# Altium PCB ELOC_Transmitter.PcbDoc
Units mil, origin at the board's own origin, x right, y up, seen from the top; angles counter-clockwise.
Board outline 3149.61 x 3149.61 mil, 2 copper layers (Top Layer, Bottom Layer); 105 components, 56 nets, 311 pads, 270 vias.
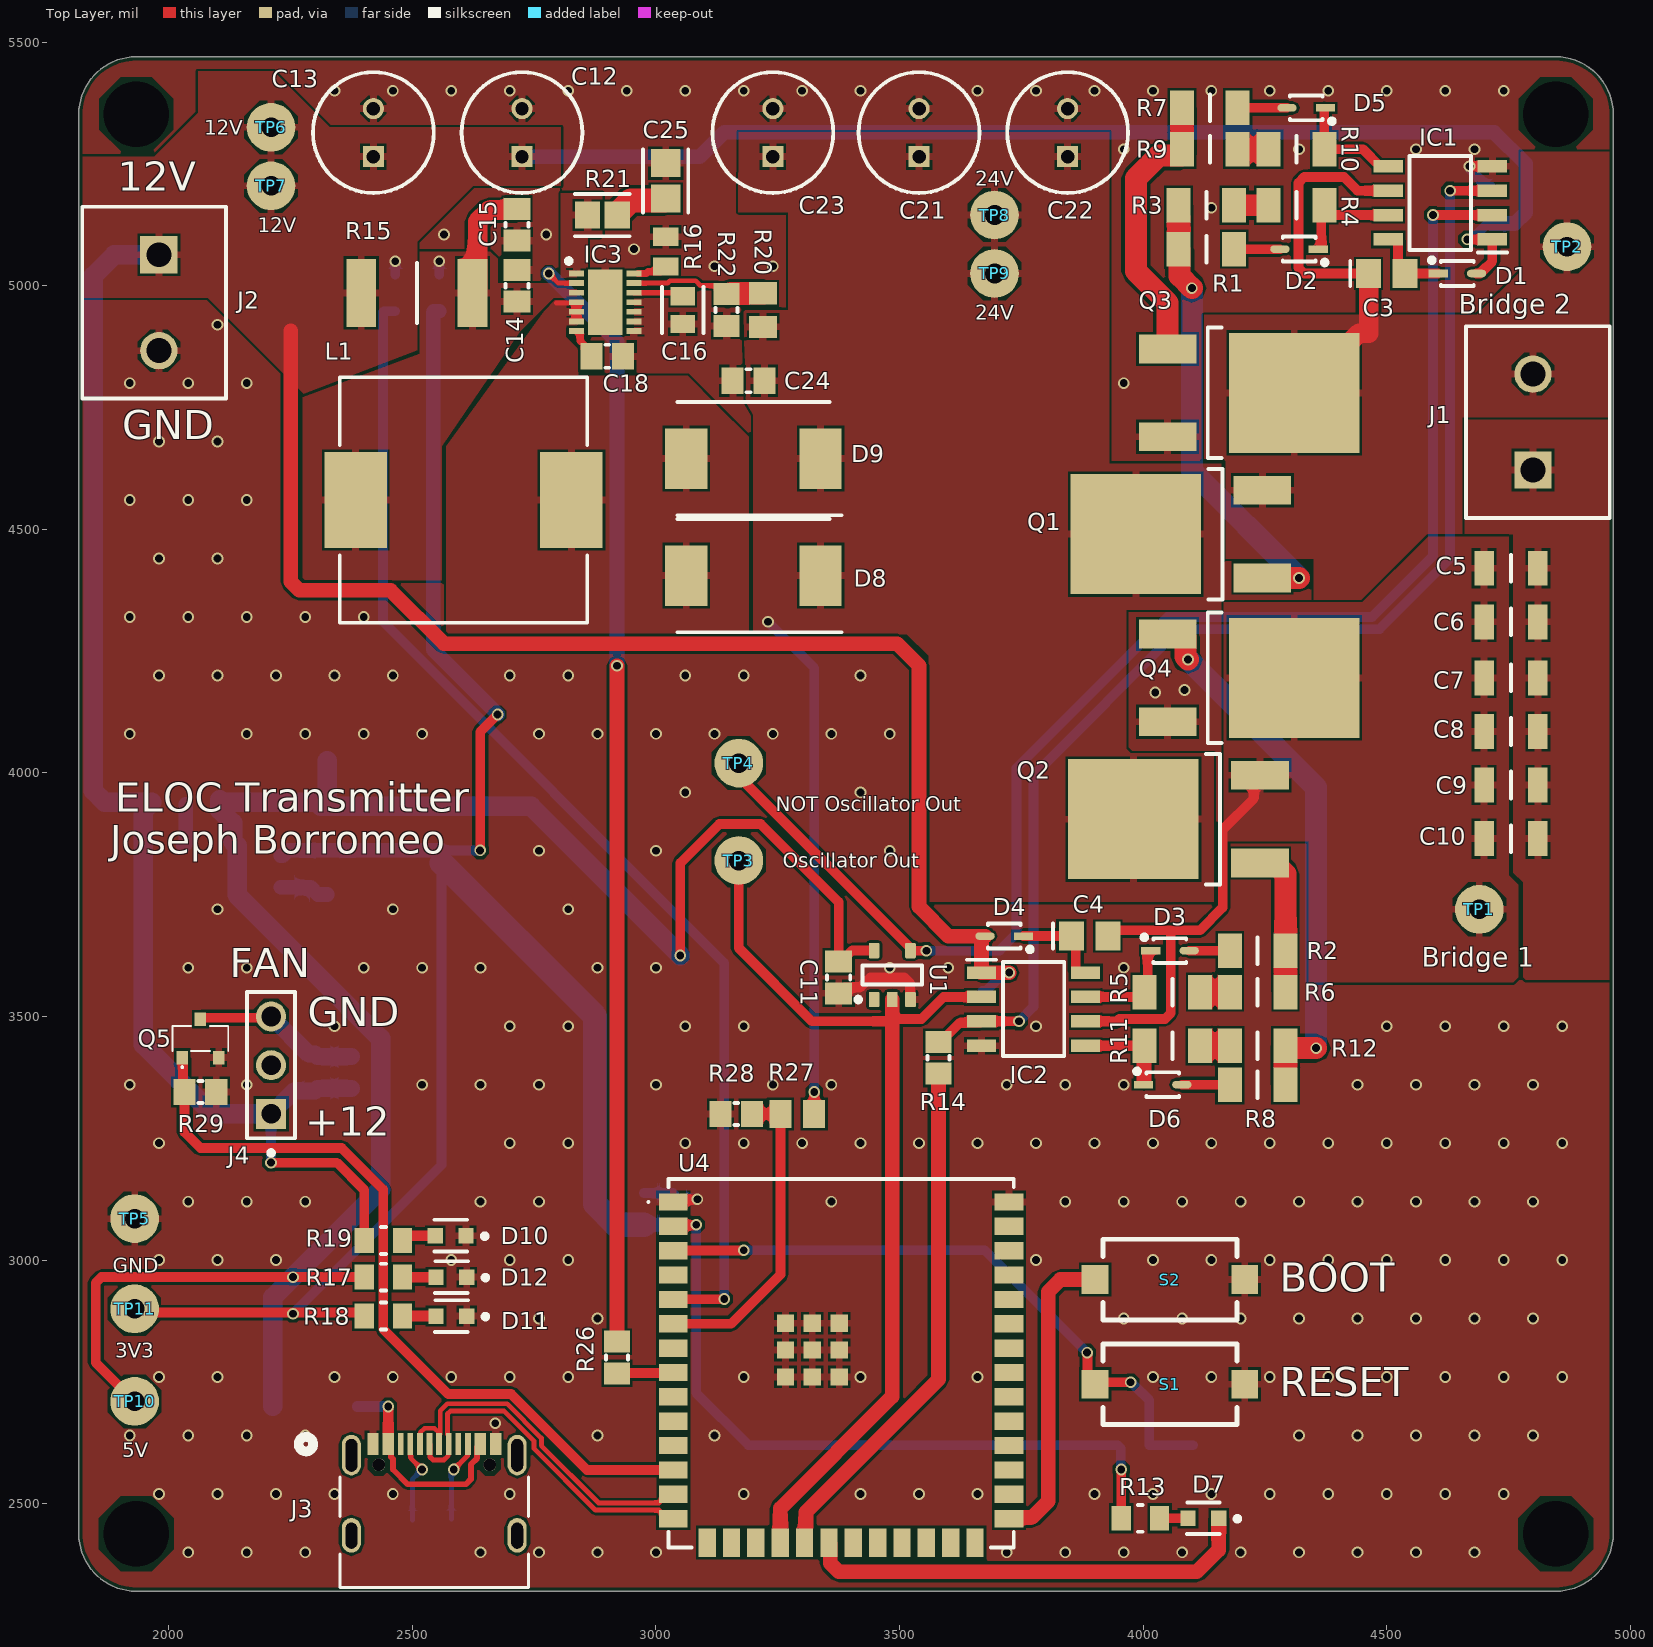
[diagram p0: Top Layer view]
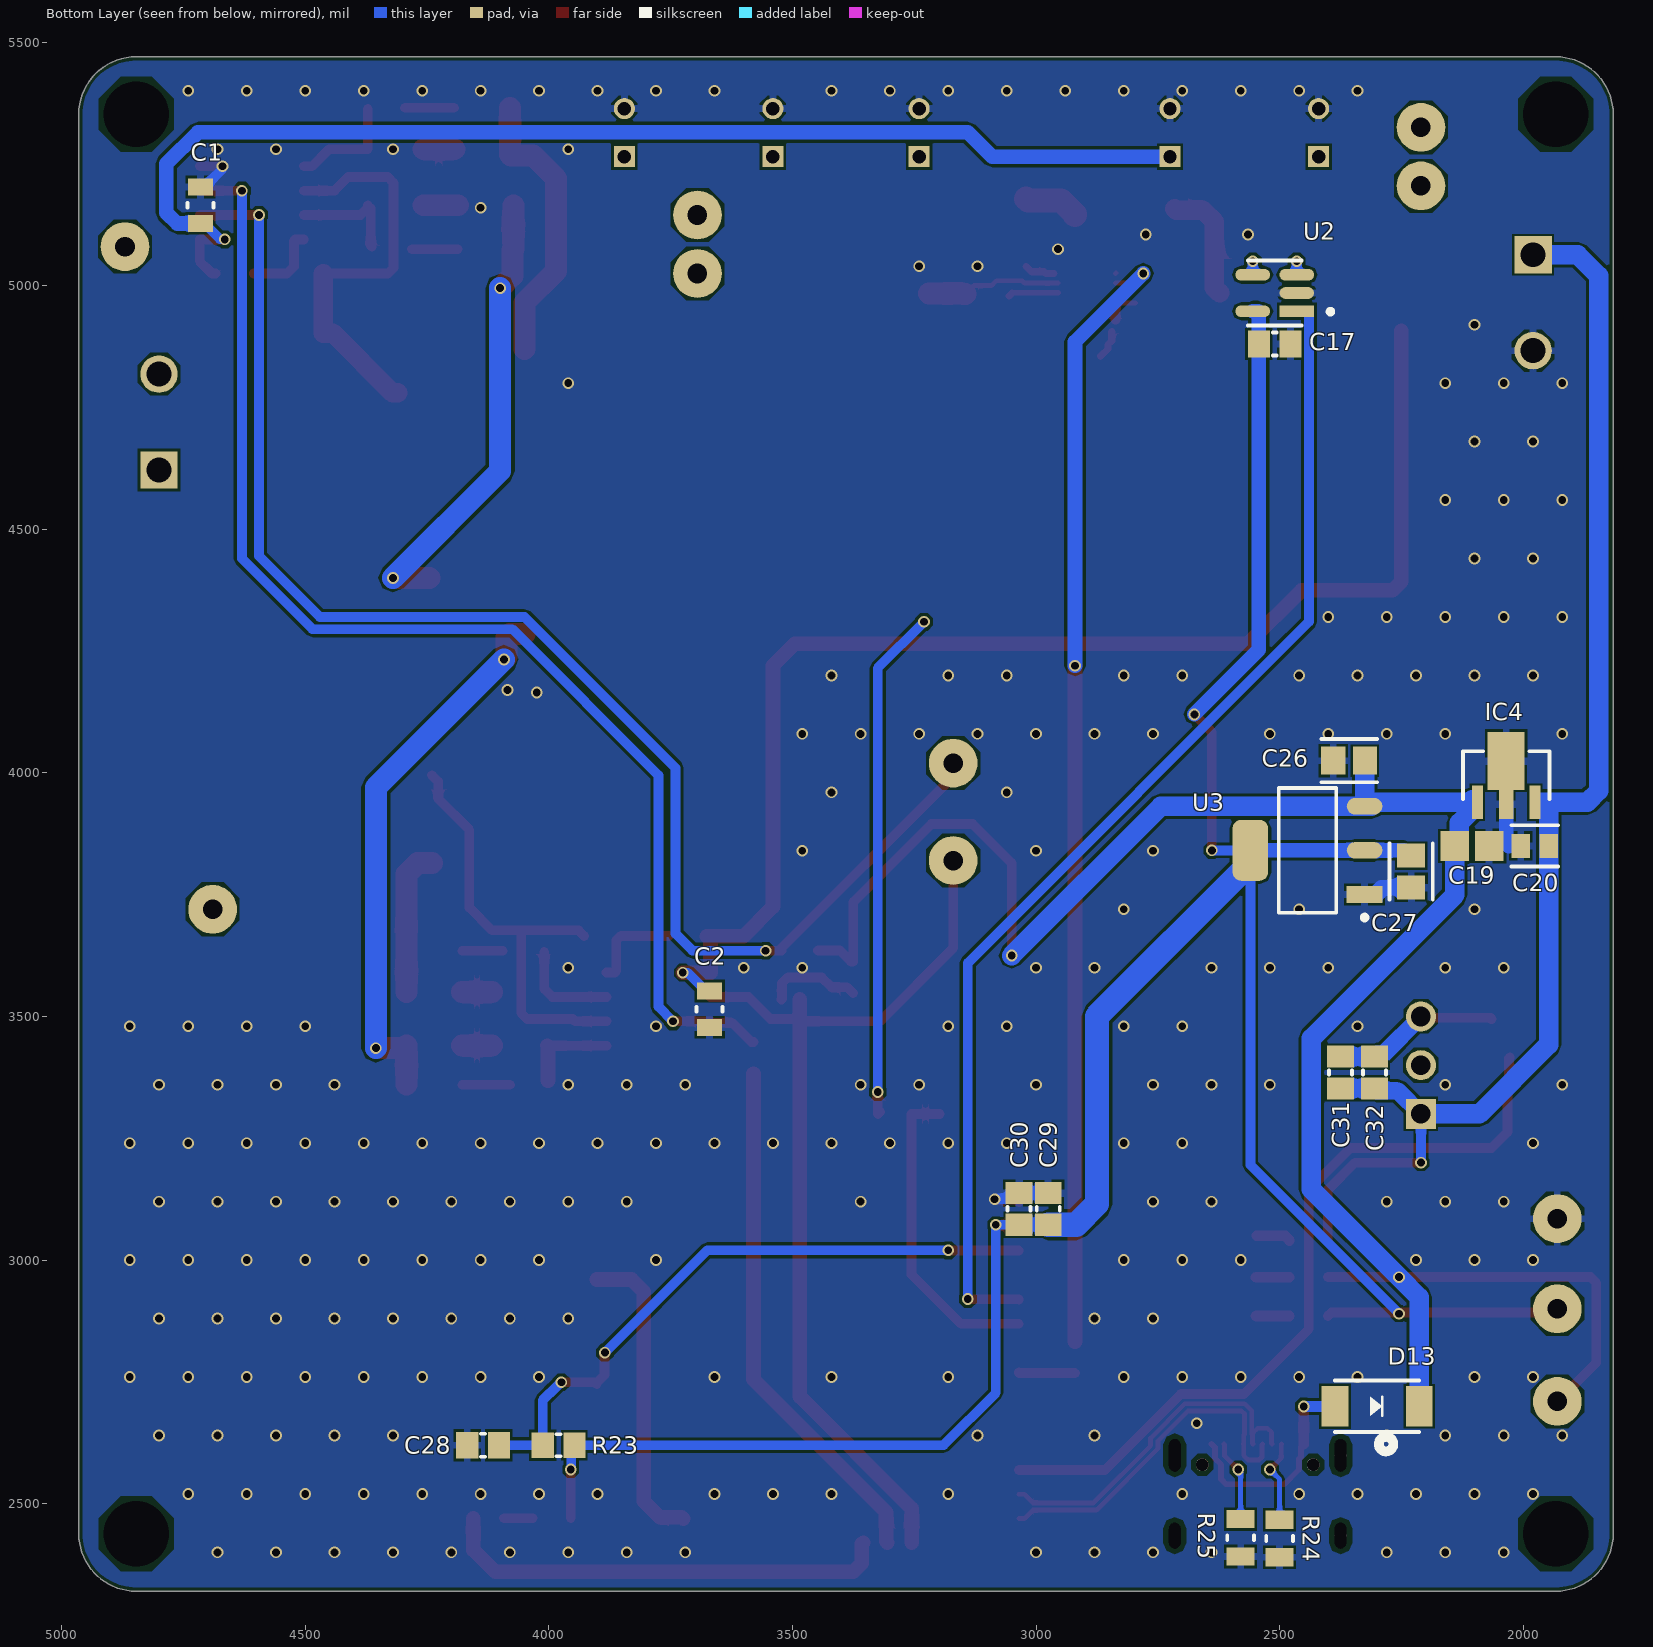
[diagram p1: Bottom Layer view, seen from below]
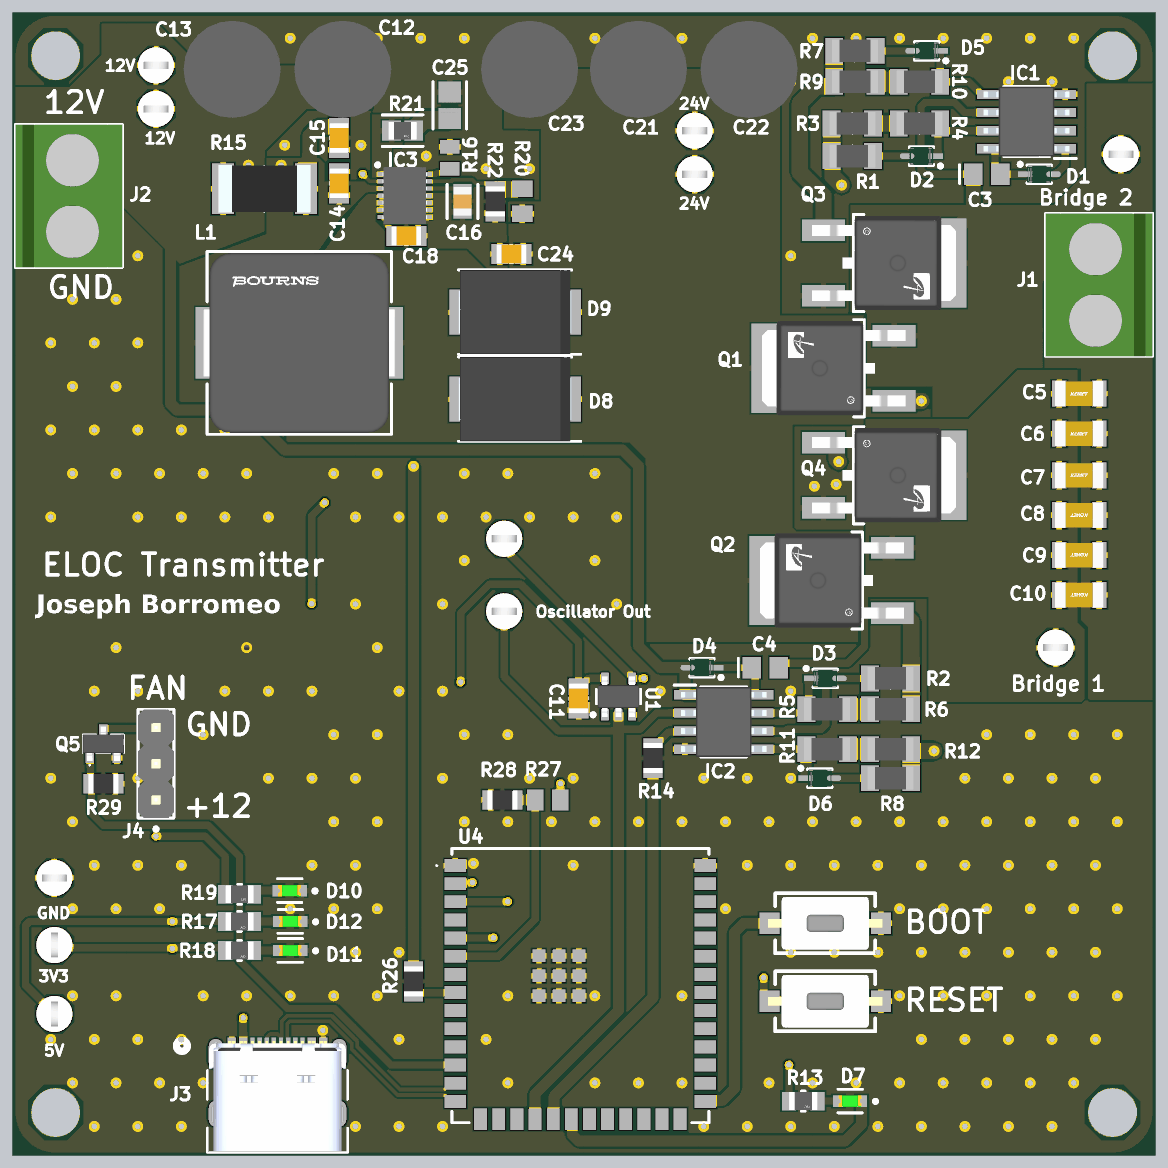
[diagram p2: 3D render of the assembled board from above, using the file's embedded part models]
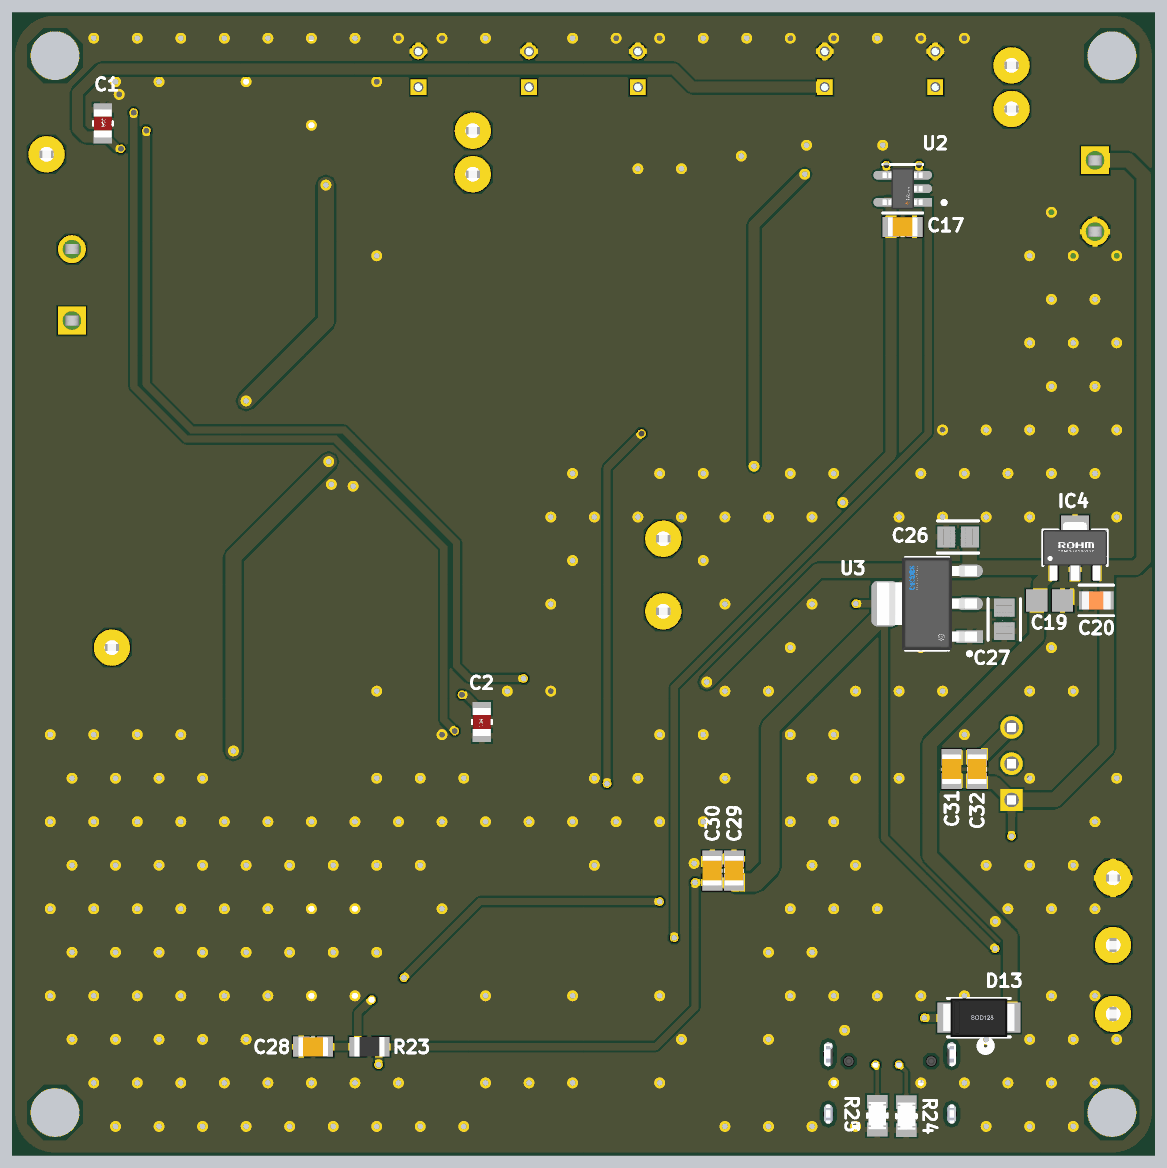
[diagram p3: 3D render of the assembled board from below, using the file's embedded part models]

## Layer stack, top to bottom
Top Solder: solder mask 0.4, Solder Resist, Dk 3.5
Top Layer: signal copper 1.4
Dielectric 1: dielectric 12.6, FR-4, Dk 4.8
Bottom Layer: signal copper 1.4
Bottom Solder: solder mask 0.4, Solder Resist, Dk 3.5

## Board outline
1933.36,2320.25 cw(c1933.36,2438.36) 1815.25,2438.36 1815.25,5351.75 cw(c1933.36,5351.75) 1933.36,5469.86 4846.75,5469.86 cw(c4846.75,5351.75) 4964.86,5351.75 4964.86,2438.36 cw(c4846.75,2438.36) 4846.75,2320.25

## Design rules (kind name [scope] priority, off if disabled: settings)
BoardOutlineClearance [All] p1: gap=7.87 ignorepadtopadclearanceinfootprint=FALSE
Clearance [All] p1: gap=5 ignorepadtopadclearanceinfootprint=FALSE except(9.84: Arc-Hole Track-Hole SMDPad-Hole THPad-Hole Via-Hole Fill-Hole Poly-Hole Region-Hole Text-Hole)
ComponentClearance [All] p1: gap=5 collisioncheckmode=3 verticalgap=5 showdistances=TRUE
DiffPairsRouting [All] p1: maxlimit=10 minlimit=5 mostfreqgap=5 toplayer_minwidth=5 toplayer_maxwidth=1000 toplayer_prefwidth=5 bottomlayer_minwidth=5 bottomlayer_maxwidth=1000 bottomlayer_prefwidth=5 maxuncoupledlength=500
Height [All] p1: minheight=0 maxheight=71497.94 prefheight=500
HoleSize [All] p1: absolutevalues=TRUE maxlimit=248.03 minlimit=11.81 maxpercent=80.000 minpercent=20.000
HoleToHoleClearance [All] p1: gap=9.84 allowstackedmicrovias=FALSE
MinimumAnnularRing [All] p1: minimumring=3
MinimumSolderMaskSliver [All] p1: minsoldermaskwidth=0
PlaneClearance [All] p1: clearance=5
PlaneConnect PlaneConnectPowerPads [InPadClass('PowerPads')] p1: planeconnectstyle=Direct reliefexpansion=20 reliefentries=4 reliefconductorwidth=10 reliefairgap=10
PlaneConnect [All] p2: pad.planeconnectstyle=Relief pad.reliefexpansion=11.81 pad.reliefentries=4 pad.reliefconductorwidth=5 pad.reliefairgap=5 via.planeconnectstyle=Direct via.reliefexpansion=11.81 via.reliefentries=4 via.reliefconductorwidth=5 via.reliefairgap=5
PolygonConnect PolygonConnectPowerPads [All vs (InPadClass('PowerPads'))] p1: connectstyle=Direct reliefconductorwidth=10 reliefentries=4 polygonreliefangle="90 Angle" airgapwidth=10
PolygonConnect [All] p2: thpad.connectstyle=Relief thpad.reliefconductorwidth=15 thpad.reliefentries=4 thpad.polygonreliefangle="90 Angle" thpad.airgapwidth=5 smdpad.connectstyle=Relief smdpad.reliefconductorwidth=15 smdpad.reliefentries=4 smdpad.polygonreliefangle="90 Angle" smdpad.airgapwidth=5 via.connectstyle=Direct via.reliefconductorwidth=5 via.reliefentries=4 via.polygonreliefangle="90 Angle" via.airgapwidth=5
RoutingVias [All] p1: holewidth=11.81 width=23.62 viastyle="Through Hole" minholewidth=11.81 minwidth=23.62 maxholewidth=23.62 maxwidth=259.84
SilkToSilkClearance [All] p1: silktosilkclearance=0
SilkToSolderMaskClearance [IsPad] p1: minsilkscreentomaskgap=5 clearancetoexposedcopper=TRUE
SolderMaskExpansion [All] p1: expansion=2.95 istentingtop=FALSE
Width [All] p1: maxlimit=1000 minlimit=5 preferedwidth=5 minimp=50.000000 maximp=50.000000 favimp=50.000000
20 further rules are at their usual default settings.

## Classes and differential pairs
differential pair D: +D_P -D_N

## Components (designator, comment, footprint, x,y, rotation, side; value= is the part's Value field where it differs from the comment)
C1 "885012207078" FP-885012207078-MFG 4715,5165 r90 bottom
C2 "885012207078" FP-885012207078-MFG 3670,3515 r270 bottom
C3 "C0805C104K1RACAUTO7210" C0805 4500,5025 r0 top
C4 "C0805C104K1RACAUTO7210" C0805 3890,3665 r0 top
C5 "C1206C103JAGECAUTO" CAPC3216X110N 4755,4420 r0 top
C6 "C1206C103JAGECAUTO" CAPC3216X110N 4755,4310 r0 top
C7 "C1206C103JAGECAUTO" CAPC3216X110N 4755,4195 r0 top
C8 "C1206C103JAGECAUTO" CAPC3216X110N 4755,4085 r180 top
C9 "C1206C103JAGECAUTO" CAPC3216X110N 4755,3975 r180 top
C10 "C1206C103JAGECAUTO" CAPC3216X110N 4755,3865 r180 top
C11 "C0805C104K5RACTU" CAP0805 3375,3580 r90 top
C12 "860010573007" CAPPRD250W52D630H1250 2725,5265 r90 top
C13 "860010573007" CAPPRD250W52D630H1250 2420,5265 r90 top
C14 "C0805C104K5RACTU" CAP0805 2715,5000 r270 top
C15 "CL21A226MOCLRNC" CAP0805 2715,5125 r90 top
C16 "CL21B334KBFNNNE" FP-CL21-F-IPC_C 3055,4950 r270 top value=330nF
C17 "C0805C104K5RACTU" CAP0805 2510,4880 r0 bottom
C18 "C0805C104K5RACTU" CAP0805 2900,4855 r180 top
C19 "08055D104KAT2A" CAPC2013X140X50ML20T25 2105,3850 r0 bottom
C20 "CL21B334KBFNNNE" FP-CL21-F-IPC_C 1976.37,3850 r0 bottom value=330nF
C21 "860010573007" CAPPRD250W52D630H1250 3540,5265 r90 top
C22 "860010573007" CAPPRD250W52D630H1250 3845,5265 r90 top
C23 "860010573007" CAPPRD250W52D630H1250 3240,5265 r90 top
C24 "CL21A226MOCLRNC" CAP0805 3190,4805 r0 top
C25 "CL21B472KBANNNC" FP-CL21-IPC_A 3020,5215 r270 top
C26 "CL21A106KOQNNNE" FP-CL21-IPC_B 2357.49,4025 r0 bottom
C27 "CL21A226MQQNNNG" FP-CL21-IPC_B 2230,3797.51 r90 bottom
C28 "GRM21BR71C105KA01L" CAP0805 4135,2620 r180 bottom
C29 "CL21A226MOCLRNC" CAP0805 2975,3105 r270 bottom
C30 "C0805C104K5RACTU" CAP0805 3035,3105 r270 bottom
C31 "CL21A226MOCLRNC" CAP0805 2375,3385 r270 bottom
C32 "C0805C104K5RACTU" CAP0805 2305,3385 r270 bottom
D1 "1N4148WS" FP-477AB-IPC_C 4645,5025 r0 top
D2 "1N4148WS" FP-477AB-IPC_C 4320,5075 r180 top
D3 "1N4148WS" FP-477AB-IPC_C 4055,3635 r0 top
D4 "1N4148WS" FP-477AB-IPC_C 3715,3665 r180 top
D5 "1N4148WS" FP-477AB-IPC_C 4334.76,5365 r180 top
D6 "1N4148WS" FP-477AB-IPC_C 4040,3360 r0 top
D7 "150060VS75000" FP-150060VS75000-MFG 4123.5,2470 r180 top
D8 "SK86L-TP" DIOM7959X262N 3200,4405 r180 top
D9 "SK86L-TP" DIOM7959X262N 3200,4645 r180 top
D10 "150060VS75000" FP-150060VS75000-MFG 2578.5,3050 r180 top
D11 "150060VS75000" FP-150060VS75000-MFG 2580,2885 r180 top
D12 "150060VS75000" FP-150060VS75000-MFG 2580,2965 r180 top
D13 "D_PMEG3050EP,115" SOD-128 2300,2700 r180 bottom
IC1 "NCP5104DR2G" SOIC127P600X175-8N 4610,5170 r180 top
IC2 "NCP5104DR2G" SOIC127P600X175-8N 3775,3515 r0 top
IC3 "MP3426DL-LF-Z" SON50P300X400X100-15N-D 2895.94,4965.94 r0 top
IC4 "AS78L05RTR-E1" DIODES_SOT-89 2035,3995 r180 bottom
J1 "691137710002" 691137710002 4810,4720 r90 top
J2 "691137710002" 691137710002 1970,4965 r270 top
J3 "USB4105-GF-A" USB4105_GCT 2545,2485 r0 top
J4 "PR20203VBNN" FP-PR20203VBNN-MFG 2210,3400 r90 top
L1 "SRP1265C-100M" FP-SRP1265C-MFG 2605,4560 r0 top
Q1 "AOD4184A" FP-TO252-MFG 4040,4490 r90 top
Q2 "AOD4184A" FP-TO252-MFG 4035,3905 r90 top
Q3 "AOD4184A" FP-TO252-MFG 4255,4780 r270 top
Q4 "AOD4184A" FP-TO252-MFG 4254.98,4195 r270 top
Q5 "T2N7002BK,LM" TBAT54CLM 2065,3455 r0 top
R1 "RMCF1206FT4R02" RESC3216X70N 4129.76,5075 r180 top
R2 "RMCF1206FT4R02" RESC3216X70N 4235,3635 r0 top
R3 "RMCF1206FT4R02" RESC3216X70N 4129.76,5165 r180 top
R4 "RMCF1206FT4R02" RESC3216X70N 4314.76,5165 r180 top
R5 "RMCF1206FT4R02" RESC3216X70N 4060,3550 r0 top
R6 "RMCF1206FT4R02" RESC3216X70N 4235,3550 r0 top
R7 "RMCF1206FT4R02" RESC3216X70N 4136.85,5365 r180 top
R8 "RMCF1206FT4R02" RESC3216X70N 4235,3360 r0 top
R9 "RMCF1206FT4R02" RESC3216X70N 4136.85,5280 r180 top
R10 "RMCF1206FT4R02" RESC3216X70N 4314.76,5280 r180 top
R11 "RMCF1206FT4R02" RESC3216X70N 4060,3440 r0 top
R12 "RMCF1206FT4R02" RESC3216X70N 4235,3440 r0 top
R13 "RNCP0805FTD1K00" FP-RNCP0805-MFG 3994.37,2470 r180 top
R14 "RC0805FR-0710KL" RES0805 3580,3415 r270 top
R15 "SHUNT" RESC6434X90N 2509.17,4985 r0 top
R16 "ERJ-6ENF6652V" RESC2013X70X40LL20T20 3020,5070 r270 top
R17 "RNCP0805FTD1K00" FP-RNCP0805-MFG 2440.63,2965 r180 top
R18 "RNCP0805FTD1K00" FP-RNCP0805-MFG 2440.63,2885 r180 top
R19 "RNCP0805FTD1K00" FP-RNCP0805-MFG 2440.63,3040 r180 top
R20 "ERJ-6ENF1873V" RESC2013X70X40NL20T20 3220,4950 r90 top
R21 "RNCP0805FTD12K1" FP-RNCP0805-IPC_B 2890,5145 r180 top
R22 "RC0805FR-0710KL" RES0805 3145,4950 r90 top
R23 "RC0805FR-0710KL" RES0805 3980,2620 r0 bottom
R24 "CRCW08055K10FKEA" FP-CRCW0805-e3-MFG 2500,2428.39 r270 bottom
R25 "CRCW08055K10FKEA" FP-CRCW0805-e3-MFG 2580,2430 r270 bottom
R26 "RC0805FR-0710KL" RES0805 2920,2800 r270 top
R27 "ERJ-6ENF1873V" RESC2013X70X40NL20T20 3290,3300 r180 top
R28 "RC0805FR-0710KL" RES0805 3165,3300 r0 top
R29 "RC0805FR-0710KL" RES0805 2065,3345 r180 top
S1 "RESET" Tactile_Button_3X6X2 4055,2745 r0 top
S2 "BOOT" Tactile_Button_3X6X2 4055,2960 r0 top
TP1 "Bridge 1" TESTPOINT_LOOP 4690,3720 r0 top
TP2 "Bridge 2" TESTPOINT_LOOP 4870,5080 r0 top
TP3 "Oscillator Out" TESTPOINT_LOOP 3170,3820 r0 top
TP4 "NOT Oscillator Out" TESTPOINT_LOOP 3170,4020 r0 top
TP5 "GND" TESTPOINT_LOOP 1930,3085 r0 top
TP6 "12V" TESTPOINT_LOOP 2210,5325 r0 top
TP7 "12V" TESTPOINT_LOOP 2210,5205 r0 top
TP8 "24V" TESTPOINT_LOOP 3695,5145 r0 top
TP9 "24V" TESTPOINT_LOOP 3695,5025 r0 top
TP10 "5V" TESTPOINT_LOOP 1930,2710 r90 top
TP11 "3V3" TESTPOINT_LOOP 1930,2900 r90 top
U1 "SN74LVC1G14DBVR" DBV0005A_L 3485,3585 r90 top
U2 "INA180A1IDBVR" FP-DBV0005A-IPC_A 2510,4985 r0 bottom
U3 "AZ1117IH-3.3TRG1" FP-SOT223-IPC_B 2442.82,3840.91 r0 bottom
U4 "ESP32-S2-SOLO-U-N4" ESP32S2SOLOUN4 3380,2788.11 r0 top

## Footprints (in the part's own frame and the unit in brackets; to place one, negate y for a bottom-side part, rotate by r counter-clockwise, add the part's x,y. Pads: shape width x height; smd on the part's side, far side on the other; paste and mask are expansions set on the pad)
691137710002 [mm] "Horizontal Cable Entry with Pressure Clamp, pitch 5mm, 02p"
  rect 1.95x1.95 hole 1.3: 1(-2.5,0.25)
  round 1.95 hole 1.3: 2(2.5,0.25)
  silkscreen extent -5,-3.75 5,3.75, body extent -5,-3.75 5,3.75, height 11.6
C0805 [mm]
  rect 1.3x1.5 smd: 1(-0.95,0) 2(0.95,0)
  silkscreen extent -1.9,-0.65 -1.9,0.65
CAP0805 [mm] "Capacitor with Footprint 0805"
  rect 1.15x1.4 smd: 1(-0.825,0) 2(0.825,0)
  silkscreen extent -0.1,-0.6 0.1,0.6, body extent -1.05,-0.67 1.05,0.67, height 1.55
CAPC2013X140X50ML20T25 [mm] "Chip Capacitor, 2-Leads, Body 2.00x1.25mm, IPC Low Density"
  rect 1.5x1.55 smd: 1(-0.9,0) 2(0.9,0)
  body extent -1.1,-0.72 1.1,0.72, height 1.4
CAPC3216X110N [mm]
  rect 1.02x1.82 smd: 1(-1.4,0) 2(1.4,0)
  silkscreen extent 0,-0.7 0,0.7, body extent -1.7,-0.9 1.7,0.9, height 1
CAPPRD250W52D630H1250 [mm]
  rect 1.1x1.1 hole 0.7: 1(0,0)
  round 1.1 hole 0.7: 2(2.5,0)
  silkscreen extent -1.9,-3.15 4.4,3.15, body extent -2.14,-3.4 4.65,3.4, height 12.5
DBV0005A_L [mm] "SOT23, 5-Leads, Body 3.05x1.75mm, Pitch 0.95mm, IPC High Density"
  rrect18% 0.8x0.55 smd: 1(-1.275,0.95) 2(-1.275,0) 3(-1.275,-0.95) 4(1.275,-0.95) 5(1.275,0.95)
  silkscreen extent -1.4,-1.55 0.5,1.9, body extent -1.42,-1.46 1.42,1.46, height 1.08
DIODES_SOT-89 [mm]
  rect 0.58x1.73 smd: 1(-1.5,-1.4) 3(1.5,-1.4)
  rect 0.76x1.5 smd: 2(0,-1.515)
  rect 1.933x3.03 smd: 4(0,0.75)
  silkscreen extent -2.25,-1.25 2.25,1.25, body extent -2.25,-2.3 2.25,1.8, height 1.6
DIOM7959X262N [mm]
  rect 2.2x3.15 smd: 1(-3.5,0) 2(3.5,0)
  silkscreen extent -4.6,-2.95 3.97,2.95, body extent -3.97,-2.95 3.97,2.95, height 2.62
ESP32S2SOLOUN4 [mm]
  rect 1.5x0.9 smd: 1(-8.75,8.41) 2(-8.75,7.14) 3(-8.75,5.87) 4(-8.75,4.6) 5(-8.75,3.33) 6(-8.75,2.06) 7(-8.75,0.79) 8(-8.75,-0.48) 9(-8.75,-1.75) 10(-8.75,-3.02) 11(-8.75,-4.29) 12(-8.75,-5.56) 13(-8.75,-6.83) 14(-8.75,-8.1) 27(8.75,-8.1) 28(8.75,-6.83) 29(8.75,-5.56) 30(8.75,-4.29) 31(8.75,-3.02) 32(8.75,-1.75) 33(8.75,-0.48) 34(8.75,0.79) 35(8.75,2.06) 36(8.75,3.33) 37(8.75,4.6) 38(8.75,5.87) 39(8.75,7.14) 40(8.75,8.41)
  rect 0.9x1.5 smd: 15(-6.985,-9.35) 16(-5.715,-9.35) 17(-4.445,-9.35) 18(-3.175,-9.35) 19(-1.905,-9.35) 20(-0.635,-9.35) 21(0.635,-9.35) 22(1.905,-9.35) 23(3.175,-9.35) 24(4.445,-9.35) 25(5.715,-9.35) 26(6.985,-9.35)
  rect 0.9x0.9 smd: 41(-1.5,0.69) 42(-1.5,2.09) 43(-2.9,2.09) 44(-2.9,0.69) 45(-2.9,-0.71) 46(-1.5,-0.71) 47(-0.1,-0.71) 48(-0.1,0.69) 49(-0.1,2.09)
  silkscreen extent -10.1,-9.6 9,9.6
FP-477AB-IPC_C [mil]
  rect 39.59x15.45 smd paste+0 mask+0: 1(-39.38,0)
  rrect100% 39.59x15.45 smd paste+0 mask+0: 2(39.38,0)
  silkscreen extent -57,-26 33,32, body extent -63,-29 63,29, height 10
FP-150060VS75000-MFG [mm]
  rect 0.8x0.8 smd paste+0 mask+0: 1(-0.8,0) 2(0.8,0)
  silkscreen extent -1.9,-0.83 0.85,0.82, body extent -1.3,-0.55 1.3,0.55, height 0.25
FP-885012207078-MFG [mm]
  rect 0.9x1.3 smd paste+0 mask+0: 1(-0.95,0) 2(0.95,0)
  silkscreen extent -0.13,-0.67 0.13,0.67, body extent -1,-0.63 1,0.63, height 1.35
FP-CL21-F-IPC_C [mil]
  rect 37.71x49.69 smd paste+0 mask+0: 1(-28.63,0) 2(28.63,0)